# Altium PCB Ignitor 2.0 Apex.PcbDoc
Units mil, origin at the board's own origin, x right, y up, seen from the top; angles counter-clockwise.
Board outline 5224.96 x 1894.96 mil, 2 copper layers (Top Layer, Bottom Layer); 25 components, 19 nets, 84 pads, 45 vias.
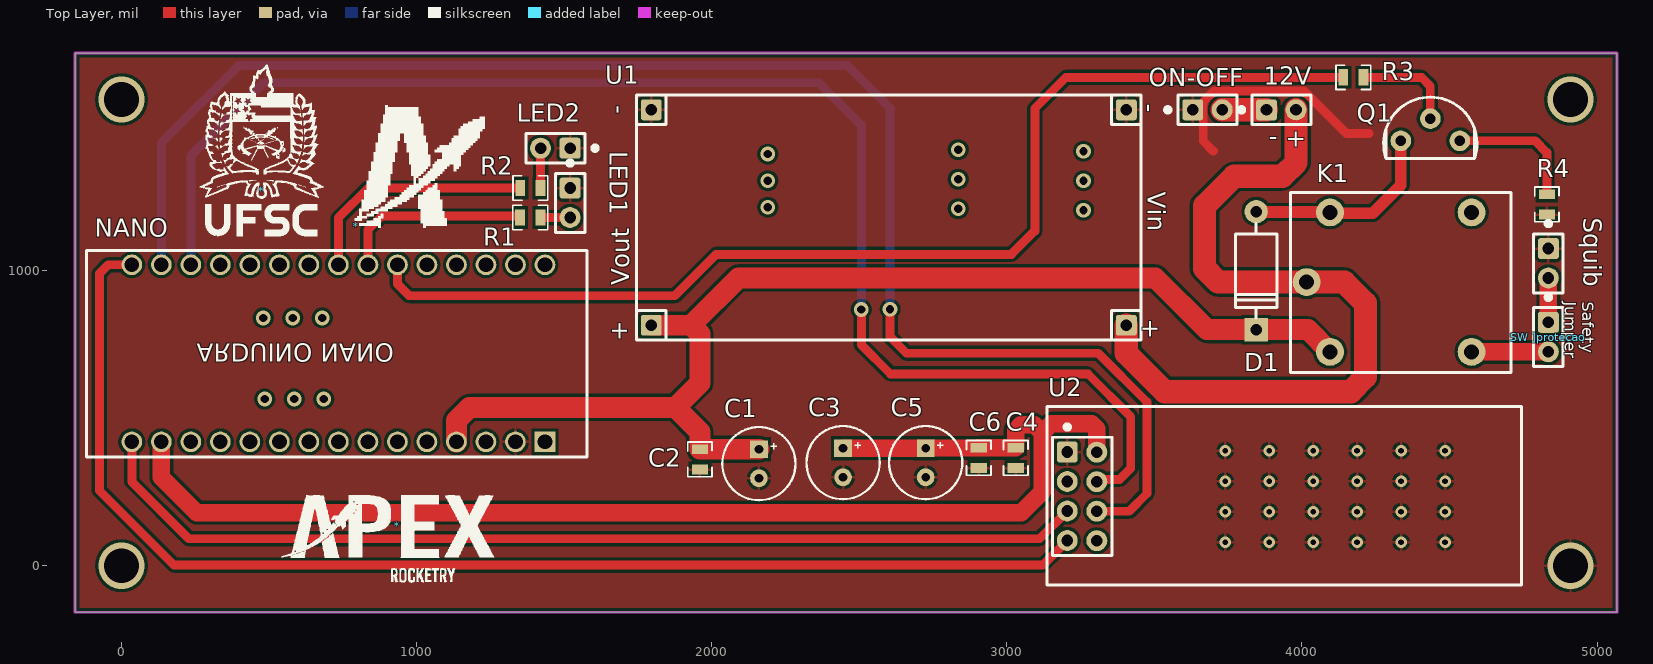
[diagram p0: Top Layer view]
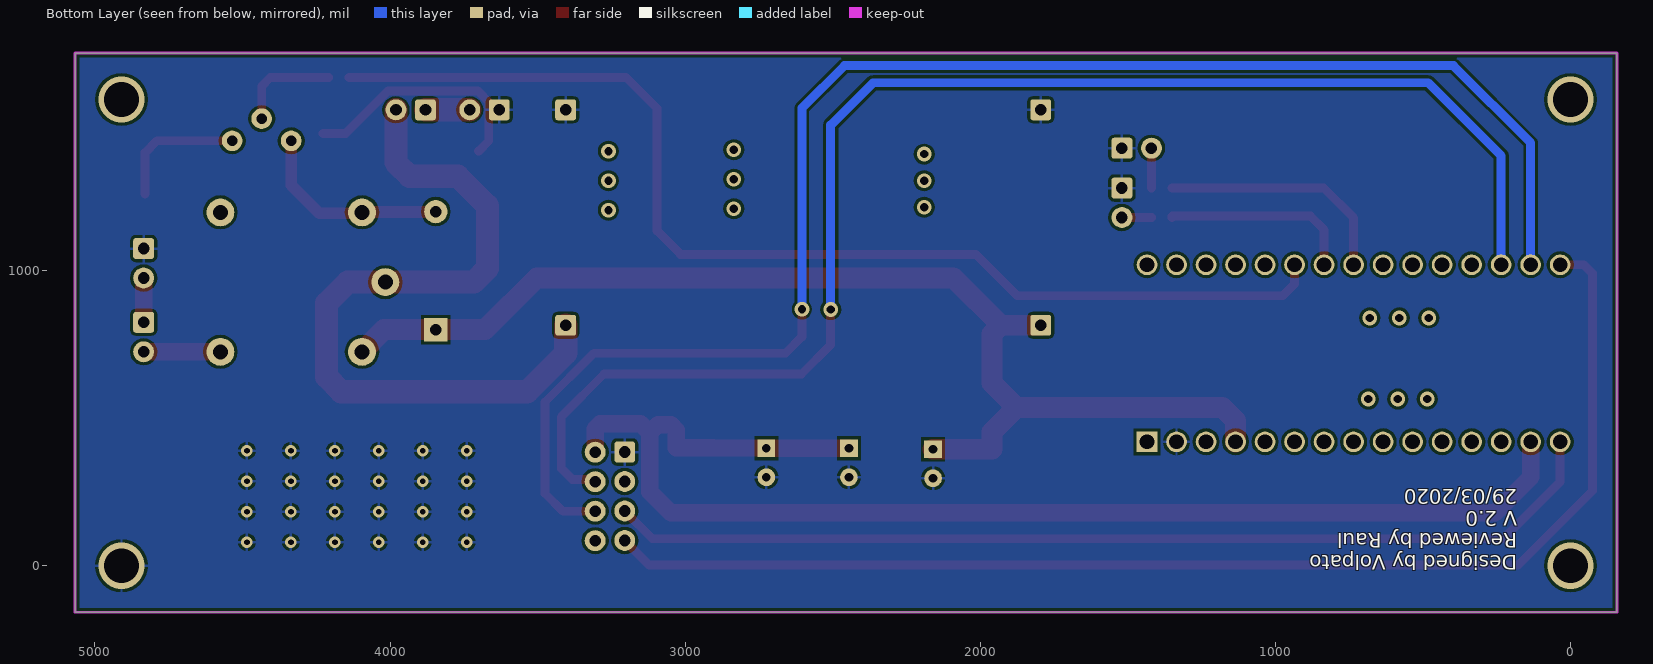
[diagram p1: Bottom Layer view, seen from below]

## Layer stack, top to bottom
Top Solder: solder mask 0.4, Solder Resist, Dk 3.5
Top Layer: signal copper 1.4
Dielectric 1: dielectric 12.6, FR-4, Dk 4.8
Bottom Layer: signal copper 1.4
Bottom Solder: solder mask 0.4, Solder Resist, Dk 3.5

## Board outline
-157.48,-157.48 5067.48,-157.48 5067.48,1737.48 -157.48,1737.48

## Design rules (kind name [scope] priority, off if disabled: settings)
Clearance [All] p1: gap=10 ignorepadtopadclearanceinfootprint=FALSE except(0: Arc-Hole Track-Hole SMDPad-Hole THPad-Hole Via-Hole Fill-Hole Poly-Hole Region-Hole Text-Hole)
PolygonConnect [All] p1: connectstyle=Relief reliefconductorwidth=10 reliefentries=4 polygonreliefangle="90 Angle" airgapwidth=10
RoutingVias [All] p1: holewidth=28 width=50 viastyle="Through Hole" minholewidth=28 minwidth=50 maxholewidth=28 maxwidth=50
SolderMaskExpansion [All] p1: expansion=4 istentingtop=FALSE
Width [All] p1: maxlimit=100 minlimit=10 preferedwidth=30
30 further rules are at their usual default settings.

## Classes and differential pairs
component class "Ignitor 2.0 Apex": 12V C1 C2 C3 C4 C5 C6 D1 K1 LED1 LED2 NANO ON-OFF Q1 R1 R2 R3 R4 Squib "SW ]protecao" U1 U2

## Components (designator, comment, footprint, x,y, rotation, side; value= is the part's Value field where it differs from the comment)
12V "HEADER_SOCKET_2" "Pin Header 1x2 TH Pitch 2.54mm" 3880,1545 r0 top
* "LOGO APEX" "Logo Apex" 935,135 r0 top
* "LOGO UFSC" "LOGO UFSC" 475,1270 r0 top
* "LOGO A  (APEX)" "LOGO A (apex)" 795,1150 r0 top
C1 "CAP_ELEC" CAPPR250-63X11 2160,395 r270 top
C2 "Cap_ceramic" CAP0805R 1960,360.55 r90 top value=1nF
C3 "CAP_ELEC" CAPPR250-63X11 2445,398.43 r270 top
C4 "Cap_ceramic" CAP0805R 3030,365.55 r90 top value=1nF
C5 "CAP_ELEC" CAPPR250-63X11 2725,398.43 r270 top
C6 "Cap_ceramic" CAP0805R 2905,365.55 r90 top value=1nF
D1 "1N400X" DO-41 3845,1200 r270 top
K1 "Relay SPDT" "Relay SPDT" 4575,725 r0 top
LED1 "HEADER_SOCKET_2" "Pin Header 1x2 TH Pitch 2.54mm" 1520,1280 r270 top
LED2 "HEADER_SOCKET_2" "Pin Header 1x2 TH Pitch 2.54mm" 1520,1415 r180 top
NANO "Arduino Nano" "Arduino nano" 1435,848 r270 top
ON-OFF "HEADER_SOCKET_2" "Pin Header 1x2 TH Pitch 2.54mm" 3630,1545 r0 top (schematic designator "ON OFF")
Q1 "BC548" "TO-92 - A" 4335,1440 r90 top
R1 "Resistor" RES0805R 1385,1180 r180 top value=1k
R2 "Resistor" RES0805R 1385.55,1280 r180 top value=1k
R3 "Resistor" RES0805R 4174.45,1655 r180 top value=1k
R4 "Resistor" RES0805R 4830,1224.45 r90 top value=1k
Squib "HEADER_SOCKET_2" "Pin Header 1x2 TH Pitch 2.54mm" 4835,1075 r270 top
"SW ]protecao" "HEADER_SOCKET_2" "Pin Header 1x2 TH Pitch 2.54mm" 4835,825 r270 top (schematic designator "SW proteção")
U1 "DC-DC LM2596" "DC-DC LM2596" 1745,765 r0 top
U2 "NRF24L01+PA/LNA" NRF24L01 3204.72,385.46 r270 top

## Footprints (in the part's own frame and the unit in brackets; to place one, negate y for a bottom-side part, rotate by r counter-clockwise, add the part's x,y. Pads: shape width x height; smd on the part's side, far side on the other; paste and mask are expansions set on the pad)
"Arduino nano" [mil]
  rect 70x70 hole 50: 1(428,0)
  round 70 hole 50: 2(428,-100) 3(428,-200) 4(428,-300) 5(428,-400) 6(428,-500) 7(428,-600) 8(428,-700) 9(428,-800) 10(428,-900) 11(428,-1000) 12(428,-1100) 13(428,-1200) 14(428,-1300) 15(428,-1400) 16(-172,-1400) 17(-172,-1300) 18(-172,-1200) 19(-172,-1100) 20(-172,-1000) 21(-172,-900) 22(-172,-800) 23(-172,-700) 24(-172,-600) 25(-172,-500) 26(-172,-400) 27(-172,-300) 28(-172,-200) 29(-172,-100) 30(-172,0)
  silkscreen extent -221,-1554 480,142, body extent -227,-1622 482,150, height 497
CAP0805R [mm] "capacitor 0805 reflow soldering"
  rect 0.85x1.4 smd: 1(-0.875,0) 2(0.875,0)
  silkscreen extent -1.5,-1.05 1.5,1.05, body extent -1,-0.63 1,0.63, height 0.78
CAPPR250-63X11 [mil]
  rect 60x60 hole 30: 1(0,0)
  round 60 hole 30: 2(98.43,0)
  silkscreen extent -75,-124 173,124, body extent -76,-125 174,125, height 454
"DC-DC LM2596" [mm]
  rrect25% 1.8x1.8 hole 1: "IN +"(42.164,1.27) "IN -"(42.164,19.812) "OUT +"(1.27,1.27) "OUT -"(1.27,19.812)
  silkscreen extent 0,0 43.43,21.08, body extent -0.04,0 43.43,21.29, height 9.5
DO-41 [mm]
  round 2 hole 1: A(0,0)
  rect 2x2 hole 1: K(10.16,0)
  silkscreen extent 1.02,-1.78 9.14,1.78, body extent -0.43,-1.36 10.59,1.36, height 2.09
"LOGO A (apex)" [mil]
  silkscreen extent -5,-5 435,411
"Logo Apex" [mil]
  silkscreen extent -394,-193 328,104
"LOGO UFSC" [mil]
  silkscreen extent -209,-153 210,428
NRF24L01 [mm]
  rrect25% 1.8x1.8 hole 1: 1(0,0)
  round 1.8 hole 1: 2(0.012,2.547) 3(2.54,0) 4(2.552,2.547) 5(5.08,0) 6(5.092,2.547) 7(7.62,0) 8(7.632,2.547)
  silkscreen extent -3.94,-1.75 11.46,39.09, body extent -4.02,-1.78 11.48,149.62, height 14.78
"Pin Header 1x2 TH Pitch 2.54mm" [mm] "PinHeader 1x2 TH Pitch 2.54mm"
  rrect25% 1.8x1.8 hole 1: 1(0,0)
  round 1.8 hole 1: 2(2.54,0)
  silkscreen extent -2.3,-1.27 3.81,1.27, body extent -1.27,-1.27 3.81,1.27, height 9.5
"Relay SPDT" [mm]
  round 2.4 hole 1.3: 1(-14.199,6) 2(-12.192,0) 3(0,0) 4(0,12) 5(-12.192,12)
  silkscreen extent -15.6,-1.78 3.4,13.72, body extent -15.6,-1.78 3.4,13.72, height 15
RES0805R [mm] "resistor 0805 reflow soldering"
  rect 0.85x1.4 smd: 1(-0.875,0) 2(0.875,0)
  silkscreen extent -1.5,-1.05 1.5,1.05, body extent -1,-0.62 1,0.63, height 0.5
"TO-92 - A" [mil]
  round 70 hole 35.43: 1(0,0) 2(75,-100) 3(0,-200)
  silkscreen extent -60,-258 148,58

## Part data
12V LED1 LED2 ON-OFF Squib "SW ]protecao": "Socket to header connector with 2 pins"
C1 C2 C3 C4 C5 C6: "Capacitor", Publisher="Altium Limited"
  C1 C3 C5: PackageDescription="Capacitor; 2 Leads", PackageReference=CAPR5-4X5, Published=23-Sep-2002
  C2 C4 C6: LatestRevisionDate=17-Jul-2002, LatestRevisionNote="Re-released for DXP Platform.", PackageDescription="Radial Cap, Thru-Hole; 2 Leads; 0.3 in Pin Spacing", PackageReference=RAD-0.3, Published=8-Jun-2000
D1: "Diode"
NANO: library part Arduino_Nano, "Integrated Circuit", Manufacturer_Name=Arduino, Manufacturer_Part_Number=ARDNanoINV, Mouser Part Number=992-ARD-NANO30, Datasheet Link=https://componentsearchengine.com/Datasheets/2/A000005.pdf, Height=10.1mm, Mouser Price/Stock=http://www.mouser.com/Search/ProductDetail.aspx?qs=Vxac6xGyzPmCaTfvE003gg%3d%3d
Q1: "Transistor NPN"
R1 R2 R3 R4: LatestRevisionDate=17-Jul-2002, LatestRevisionNote="Re-released for DXP Platform.", PackageDescription="Axial Device, Thru-Hole; 2 Leads; 0.3 in Pin Spacing", PackageReference=AXIAL-0.3, Published=8-Jun-2000, Publisher="Altium Limited"

## Via types
v1: diameter 39.37, hole 19.68, Top Layer to Bottom Layer, 24 vias
v2: diameter 50, hole 28, Top Layer to Bottom Layer, 17 vias
v3: diameter 157.48, hole 118.11, Top Layer to Bottom Layer, 4 vias

## Nets (pads, with @x,y where several pads share a name; then routed paths per layer and width w, separated by ;. In a path a pad name is that pad's centre, name@x,y a point inside that pad or via, vN(x,y) a via of type N, cw(c..) or ccw(c..) an arc to the next point about the centre after c; other vN are vias at no path point)
3V3: C3.1 C4.2 C5.1 C6.2 NANO.14 U2.2 | length 4421.6
  Top Layer w59.06: NANO.14 135,300 255,180 3049.35,180 3120,250.65 3120,450 ; C3.1 C5.1 2725.79,399.21 2904.21,399.21 C6.2 C4.2 3030,460 3047.57,477.57 3092.43,477.57 3120,450 ; U2.2 3305,463.67 3287.43,481.24 3151.24,481.24 3120,450
5V: "U1.OUT +" C1.1 C2.2 D1.K K1.2 NANO.4 | length 4006.5
  Top Layer w70.87: NANO.4 1135,492.38 1179.37,536.75 1876.75,536.75 1960,453.5 C2.2 C1.1 ; 1795,815 1930,815 ; 1875,535 1960,620 1960,785 1930,815 ; K1.2 4020,800 D1.K 3678.31,800 3503.01,975.31 2090.31,975.31 1930,815
12V: 12V.2 "U1.IN +" K1.1 | length 2585.2
  Top Layer w78.74: 3405,815 3405,720 3535,590 4165,590 4215,640 4215,890 4143.78,961.22 K1.1 3716.12,961.22 3670,1007.35 3670,1220 3770,1320 3933.88,1320 3980,1366.12 12V.2
CSN: NANO.18 U2.4 | length 4870.4
  Top Layer w30: v2(2506.97,868.37) 2506.97,748.76 2605.73,650 3275,650 3420,505 3420,330 3382.82,292.82 3312.82,292.82 U2.4
  Bottom Layer w30: NANO.18 235,1389.33 482.69,1637.02 2362.98,1637.02 2506.97,1493.03 v2(2506.97,868.37)
D3: NANO.25 R3.2 | length 3835.8
  Top Layer w30: NANO.25 935,955 974.78,915.22 1874.52,915.22 2014.65,1055.34 3015.34,1055.34 3095,1135 3095,1549.61 3200.39,1655 R3.2
GND: "U1.IN -" "U1.OUT -" C1.2 C2.1 C3.2 C4.1 C5.2 C6.1 LED1.1 LED2.1 NANO.2 ON-OFF.1 R4.1 Squib.1 U2.1 | length 817.9
  Top Layer w30: 3700,1405 3665.63,1439.37 3665.63,1571.66 3703.34,1609.37 4006.66,1609.37 4150.77,1465.26 4227.32,1465.26
  other v1: 3740,80 3889,80 4038,80 4187,80 4336,80 4485,80 3740,183.33 3889,183.33 4038,183.33 4187,183.33 4336,183.33 4485,183.33 3740,286.67 3889,286.67 4038,286.67 4187,286.67 4336,286.67 4485,286.67 3740,390 3889,390 4038,390 4187,390 4336,390 4485,390
  other v3: 4910,0
led1: NANO.24 R1.2 | length 657.5
  Top Layer w30: NANO.24 835,1138.88 881.12,1185 1348.82,1185 1350.55,1183.27 R1.2
led2: NANO.23 R2.2 | length 816.8
  Top Layer w30: NANO.23 735,1178.84 836.16,1280 R2.2
MISO: NANO.16 U2.7 | length 4276.5
  Top Layer w30: NANO.16 -45,1020 -75,990 -75,255 177.93,2.07 3121.33,2.07 U2.7
MOSI: NANO.17 U2.6 | length 5292.6
  Top Layer w30: v2(2604.37,869.2) 2604.37,775.63 2660,720 3310,720 3475,555 3475,245 3415,185 U2.6
  Bottom Layer w30: NANO.17 135,1433.06 396.94,1695 2460,1695 2604.37,1550.63 v2(2604.37,869.2)
Net12V_1: 12V.1 ON-OFF.2 | length 150
  Top Layer w78.74: ON-OFF.2 12V.1
NetD1_A: D1.A K1.5 Q1.1 | length 681.4
  Top Layer w39.37: D1.A 3846.28,1198.72 4093.72,1198.72 K1.5 4097.44,1195 4240,1195 4335,1290 Q1.1
NetK1_3: "SW ]protecao.2" K1.3 | length 260
  Top Layer w59.06: K1.3 4835,725
NetLED1_2: LED1.2 R1.1 | length 100.6
  Top Layer w30: R1.1 LED1.2
NetLED2_2: LED2.2 R2.1 | length 135
  Top Layer w30: R2.1 LED2.2
NetQ1_2: Q1.2 R3.1 | length 348.5
  Top Layer w30: R3.1 4405,1655 4435,1625 Q1.2
NetQ1_3: Q1.3 R4.2 | length 452.7
  Top Layer w30: Q1.3 4790,1440 4830,1400 R4.2
NetSquib_2: "SW ]protecao.1" Squib.2 | length 150
  Top Layer w59.06: 4835,825 Squib.2
SCK: NANO.15 U2.5 | length 3423.8
  Top Layer w30: NANO.15 35,285 228.55,91.45 3110.71,91.45 U2.5
pads on no net: K1.4 NANO.1 NANO.3 NANO.5 NANO.6 NANO.7 NANO.8 NANO.9 NANO.10 NANO.11 NANO.12 NANO.13 NANO.19 NANO.20 NANO.21 NANO.22 NANO.26 NANO.27 NANO.28 NANO.29 NANO.30 U2.3 U2.8
copper on no net:
  other v2: 485,565 585,565 685,565 480,840 580,840 680,840 3260,1205 2835,1210 2190,1215 2190,1305 3260,1305 2835,1310 2190,1395 3260,1405 2835,1410
  other v3: 0,0 0,1580 4910,1580

## Polygon pours and split planes (outlines as drawn)
GND on Bottom Layer "GND_L02_P000" (solid, pour order 0): -162.5,1742.5 -162.5,-157.48 5072.5,-157.48 5072.5,1742.5
GND on Top Layer "GND_L01_P001" (solid, pour order 1): -162.5,1742.5 -162.5,-162.5 5072.5,-162.5 5072.5,1742.5

## Keep-outs
Keep-Out Layer:
  the board outline again, w10

## Silkscreen, mask and mechanical layers (free items; w line width, h text height)
Top Overlay:
  text "+ -" at 4015,1470 h60 r180
  text "Safety  / Jumper" at 4890,895 h40 r270
Bottom Overlay:
  text "Designed by Volpato / Reviewed by Raul  / V 2.0 / 29/03/2020" at 180,260 h50 r180

## Text inside footprints (layer, text, board x,y; h text height)
NANO: Top Overlay "ARDUINO NANO" at 255,752 h60 r180
U1: Top Overlay "-" at 1660,1560 h60 r270; Top Overlay "+" at 1663,831 h60 r270; Top Overlay "Vout" at 1720,950 h60 r90; Top Overlay "Vin" at 3477,1267 h60 r270; Top Overlay "+" at 3461,837 h60 r270; Top Overlay "-" at 3458,1566 h60 r270